# KiCad board haptic display 8x8 aisler.kicad_pcb (continued)
## Routing (per net, layer and track width the routed paths; a pad name or vN(x,y) marks a point on that pad's centre or on a via; arc(x,y) is an arc through that point) (continued)
36.19,66.73 36.4,66.57 36.58,66.4 36.74,66.2 36.88,65.98 36.99,65.75 37.07,65.51 37.12,65.26 37.14,65 37.13,64.74 37.08,64.49 37.01,64.24 36.91,64 36.78,63.77 36.62,63.56 36.44,63.37 36.24,63.21 36.01,63.07 35.78,62.96 35.52,62.87 35.26,62.82 35,62.8 34.75,62.81 34.51,62.85 34.27,62.91 34.04,63 33.82,63.12 33.61,63.26 33.42,63.42 33.25,63.61 33.1,63.81 32.98,64.03 32.88,64.26 32.8,64.5 32.76,64.75 32.74,65 32.75,65.25 32.79,65.51 32.85,65.75 32.95,65.99 33.07,66.22 33.21,66.43 33.38,66.62 33.57,66.8 33.77,66.95 34,67.08 34.24,67.18 34.48,67.26 34.74,67.31 35,67.33 35.26,67.31 35.52,67.28 35.77,67.21 36.02,67.11 36.25,66.99 36.47,66.84 36.67,66.67 36.85,66.47 37,66.26 37.13,66.03 37.24,65.78 37.32,65.53 37.37,65.27 37.39,65 37.38,64.73 37.34,64.47 37.27,64.21 37.17,63.96 37.04,63.72 36.89,63.49 36.71,63.29 36.51,63.11 36.29,62.94 36.06,62.81 35.8,62.7 35.54,62.62 35.27,62.57 35,62.55 34.74,62.56 34.49,62.6 34.24,62.66 34,62.75 33.76,62.86 33.55,63 33.34,63.16 33.15,63.34 32.99,63.54 32.84,63.75 32.72,63.98 32.62,64.23 32.55,64.48 32.51,64.74 32.49,65 32.5,65.26 32.53,65.52 32.6,65.78 32.69,66.03 32.81,66.27 32.95,66.49 33.11,66.7 33.3,66.89 33.5,67.06 33.72,67.21 33.96,67.34 34.21,67.44 34.47,67.51 34.73,67.56 35,67.58 35.27,67.57 35.54,67.53 35.8,67.46 36.05,67.37 36.3,67.25 36.53,67.1 36.74,66.94 36.94,66.75 37.11,66.54 37.27,66.31 37.39,66.07 37.5,65.81 37.57,65.55 37.62,65.28 37.64,65 37.63,64.72 37.59,64.45 37.52,64.18 37.42,63.92 37.3,63.67 37.15,63.44 36.98,63.22 36.79,63.02 36.57,62.84 36.34,62.68 36.09,62.55 35.83,62.44 35.56,62.37 35.28,62.32 35,62.3 34.73,62.31 34.47,62.34 34.21,62.41 33.96,62.49 33.72,62.6 33.49,62.74 33.27,62.89 33.07,63.07 32.89,63.26 32.72,63.48 32.58,63.71 32.46,63.95 32.37,64.2 32.3,64.46 32.25,64.73 32.24,65 32.25,65.27 32.28,65.54 32.35,65.81 32.43,66.06 32.55,66.31 32.68,66.55 32.84,66.77 33.02,66.98 33.23,67.16 33.44,67.33 33.68,67.47 33.92,67.6 34.18,67.69 34.45,67.76 34.72,67.81 35,67.83 35.28,67.82 35.55,67.78 35.82,67.71 36.09,67.62 36.34,67.51 36.58,67.37 36.81,67.2 37.02,67.02 37.21,66.81 37.38,66.59 37.53,66.35 37.65,66.1 37.75,65.83 37.82,65.56 37.87,65.28 37.89,65 37.88,64.72 37.84,64.44 37.77,64.16 37.68,63.89 37.56,63.63 37.42,63.38 37.25,63.15 37.06,62.94 36.85,62.74 36.63,62.57 36.38,62.42 36.12,62.29 35.85,62.19 35.57,62.11 35.29,62.07 35,62.05 34.73,62.06 34.46,62.09 34.19,62.15 33.93,62.24 33.68,62.34 33.44,62.47 33.21,62.63 32.99,62.8 32.8,62.99 32.62,63.2 32.46,63.43 32.32,63.67 32.2,63.92 32.11,64.18 32.05,64.45 32,64.72 31.99,65 32,65.28 32.03,65.55 32.09,65.83 32.18,66.09 32.29,66.35 32.42,66.6 32.58,66.83 32.75,67.05 32.95,67.25 33.16,67.43 33.39,67.6 33.64,67.74 33.89,67.85 34.16,67.95 34.44,68.02 34.72,68.06 35,68.08 35.28,68.07 35.57,68.03 35.84,67.97 36.12,67.88 36.38,67.77 36.63,67.63 36.87,67.47 37.09,67.29 37.3,67.09 37.48,66.88 37.65,66.64 37.79,66.39 37.91,66.13 38.01,65.86 38.08,65.58 38.12,65.29 38.14,65 38.13,64.71 38.09,64.42 38.03,64.14 37.94,63.86 37.83,63.59 37.69,63.34 37.52,63.09 37.34,62.87 37.14,62.66 36.91,62.47 36.67,62.3 36.42,62.15 36.15,62.03 35.87,61.93 35.59,61.86 35.29,61.82 35,61.8 34.72,61.81 34.44,61.84 34.17,61.9 33.9,61.98 33.64,62.08 33.39,62.21 33.15,62.36 32.93,62.53 32.72,62.72 32.52,62.92 32.35,63.14 32.19,63.38 32.06,63.63 31.95,63.89 31.86,64.16 31.79,64.43 31.75,64.72 31.74,65 31.75,65.28 31.78,65.57 31.84,65.85 31.92,66.12 32.03,66.39 32.16,66.64 32.31,66.89 32.48,67.11 32.67,67.33 32.88,67.53 33.11,67.7 33.35,67.86 33.6,68 33.87,68.11 34.14,68.2 34.42,68.27 34.71,68.31 35,68.33 35.29,68.32 35.58,68.28 35.86,68.22 36.14,68.14 36.41,68.03 36.67,67.9 36.92,67.74 37.16,67.57 37.37,67.37 37.57,67.16 37.75,66.93 37.92,66.68 38.05,66.42 38.17,66.15 38.26,65.87 38.33,65.59 38.37,65.29 38.39,65 38.38,64.7 38.34,64.41 38.28,64.12 38.2,63.84 38.09,63.56 37.95,63.3 37.79,63.04 37.62,62.8 37.42,62.58 37.2,62.38 36.96,62.19 36.71,62.03 36.45,61.89 36.18,61.77 35.89,61.68 35.6,61.61 35.3,61.57 35,61.55 34.71,61.56 34.43,61.59 34.15,61.65 33.88,61.72 33.61,61.83 33.35,61.95 33.1,62.09 32.86,62.26 32.64,62.44 32.44,62.64 32.25,62.86 32.08,63.09 31.93,63.34 31.8,63.6 31.69,63.86 31.6,64.14 31.54,64.42 31.5,64.71 31.49,65 31.5,65.29 31.53,65.58 31.59,65.86 31.67,66.14 31.77,66.42 31.89,66.68 32.04,66.93 32.21,67.17 32.39,67.4 32.6,67.61 32.82,67.8 33.06,67.97 33.31,68.13 33.57,68.26 33.84,68.37 34.12,68.46 34.41,68.52 34.71,68.56 35,68.58 35.3,68.57 35.59,68.53 35.88,68.48 36.17,68.39 36.44,68.29 36.71,68.16 36.97,68.01 37.21,67.84 37.44,67.65 37.65,67.44 37.85,67.22 38.03,66.98 38.18,66.72 38.32,66.45 38.43,66.18 38.52,65.89 38.58,65.6 38.62,65.3 38.64,65 38.63,64.7 38.59,64.4 38.54,64.1 38.45,63.81 38.35,63.53 38.22,63.26 38.06,63 37.89,62.75 37.7,62.52 37.49,62.3 37.26,62.1 37.01,61.92 36.75,61.76 36.48,61.63 36.2,61.51 35.91,61.42 35.61,61.36 35.31,61.32 35,61.3 34.71,61.31 34.42,61.34 34.13,61.39 33.85,61.47 33.58,61.57 33.31,61.69 33.06,61.83 32.81,61.99 32.58,62.17 32.36,62.36 32.16,62.57 31.98,62.8 31.81,63.05 31.66,63.3 31.54,63.57 31.43,63.84 31.35,64.12 31.29,64.41 31.25,64.71 31.24,65 31.25,65.3 31.28,65.59 31.33,65.88 31.41,66.17 31.51,66.45 31.63,66.72 31.77,66.98 31.94,67.23 32.12,67.46 32.32,67.68 32.53,67.89 32.77,68.07 33.01,68.24 33.27,68.39 33.54,68.52 33.82,68.63 34.11,68.71 34.4,68.77 34.7,68.81 35,68.83 35.3,68.82 35.6,68.78 35.9,68.73 36.19,68.65 36.47,68.55 36.75,68.42 37.01,68.28 37.26,68.11 37.5,67.93 37.73,67.73 37.93,67.51 38.12,67.27 38.3,67.02 38.45,66.76 38.58,66.48 38.69,66.2 38.77,65.91 38.83,65.61 38.87,65.3 38.89,65 38.88,64.69 38.85,64.39 38.79,64.09 38.71,63.79 38.61,63.51 38.48,63.23 38.33,62.96 38.17,62.7 37.98,62.46 37.77,62.23 37.55,62.02 37.31,61.82 37.05,61.65 36.78,61.5 36.51,61.37 36.22,61.26 35.92,61.17 35.62,61.1 35.31,61.07 35,61.05 34.7,61.06 34.41,61.09 34.12,61.14 33.83,61.21 33.55,61.31 33.28,61.43 33.01,61.56 32.76,61.72 32.52,61.89 32.29,62.08 32.08,62.29 31.88,62.51 31.7,62.75 31.54,63 31.4,63.27 31.28,63.54 31.18,63.82 31.1,64.11 31.04,64.4 31,64.7 30.99,65 31,65.3 31.03,65.6 31.08,65.89 31.15,66.19 31.25,66.47 31.37,66.75 31.51,67.02 31.67,67.27 31.84,67.52 32.04,67.75 32.25,67.97 32.48,68.17 32.72,68.35 32.97,68.51 33.24,68.66 33.52,68.78 33.8,68.88 34.1,68.96 34.39,69.02 34.7,69.06 35,69.08 35.3,69.07 35.61,69.04 35.91,68.98 36.2,68.91 36.49,68.81 36.78,68.69 37.05,68.55 37.31,68.39 37.56,68.21 37.79,68.01 38.01,67.79 38.21,67.56 38.4,67.32 38.57,67.06 38.71,66.79 38.84,66.51 38.94,66.22 39.03,65.92 39.09,65.62 39.12,65.31 39.14,65 39.13,64.69 39.1,64.38 39.04,64.08 38.97,63.78 38.87,63.48 38.74,63.2 38.6,62.92 38.44,62.66 38.26,62.4 38.05,62.17 37.84,61.94 37.6,61.74 37.35,61.55 37.09,61.38 36.81,61.23 36.53,61.1 36.23,61 35.93,60.91 35.63,60.85 35.31,60.81 35,60.8 34.7,60.81 34.4,60.84 34.11,60.89 33.81,60.96 33.53,61.05 33.25,61.16 32.98,61.3 32.72,61.45 32.47,61.62 32.23,61.8 32.01,62.01 31.8,62.23 31.61,62.46 31.43,62.71 31.28,62.97 31.14,63.24 31.02,63.52 30.92,63.8 30.84,64.1 30.79,64.39 30.75,64.7 30.74,65 30.75,65.3 30.78,65.61 30.83,65.91 30.9,66.2 30.99,66.49 31.11,66.78 31.24,67.05 31.4,67.32 31.57,67.57 31.76,67.81 31.96,68.04 32.19,68.25 32.42,68.44 32.67,68.62 32.94,68.78 33.21,68.92 33.49,69.04 33.78,69.14 34.08,69.22 34.39,69.28 34.69,69.31 35,69.33 35.31,69.32 35.62,69.29 35.92,69.23 36.22,69.16 36.52,69.07 36.8,68.95 37.08,68.81 37.35,68.66 37.61,68.48 37.85,68.29 38.08,68.08 38.29,67.85 38.49,67.61 38.67,67.36 38.83,67.09 38.98,66.82 39.1,66.53 39.2,66.23 39.28,65.93 39.34,65.62 39.37,65.31 39.39,65 39.38,64.69 39.35,64.37 39.3,64.07 39.22,63.76 39.12,63.46 39.01,63.17 38.87,62.89 38.71,62.62 38.53,62.36 38.34,62.11 38.12,61.88 37.9,61.66 37.65,61.46 37.39,61.28 37.12,61.11 36.84,60.97 36.55,60.84 36.25,60.74 35.94,60.66 35.63,60.6 35.32,60.56 35,60.55 35,60.35 v1(35.35,60) ; 35.41,48.98 35.36,48.96 35,48.6 35,48.55 34.79,48.56 34.59,48.6 34.39,48.67 34.2,48.76 34.03,48.88 33.88,49.03 33.75,49.19 33.64,49.38 33.56,49.58 33.51,49.79 33.49,50 33.5,50.22 33.54,50.43 33.61,50.64 33.71,50.83 33.84,51.01 33.99,51.17 34.16,51.31 34.35,51.42 34.56,51.5 34.78,51.55 35,51.58 35.22,51.56 35.45,51.52 35.66,51.45 35.86,51.34 36.05,51.21 36.22,51.05 36.36,50.87 36.47,50.67 36.56,50.46 36.62,50.23 36.64,50 36.63,49.77 36.58,49.54 36.51,49.31 36.4,49.1 36.26,48.91 36.09,48.74 35.91,48.59 35.7,48.47 35.48,48.38 35.24,48.32 35,48.3 34.78,48.31 34.56,48.35 34.34,48.41 34.14,48.51 33.95,48.63 33.78,48.78 33.62,48.94 33.49,49.13 33.39,49.33 33.31,49.55 33.26,49.77 33.24,50 33.25,50.23 33.29,50.46 33.36,50.68 33.46,50.89 33.58,51.09 33.73,51.27 33.9,51.43 34.1,51.56 34.31,51.67 34.53,51.75 34.76,51.8 35,51.83 35.24,51.81 35.48,51.77 35.7,51.7 35.92,51.6 36.13,51.47 36.31,51.31 36.48,51.13 36.62,50.93 36.73,50.72 36.81,50.49 36.87,50.25 36.89,50 36.88,49.75 36.83,49.51 36.76,49.27 36.65,49.05 36.52,48.84 36.36,48.64 36.17,48.47 35.96,48.33 35.74,48.21 35.5,48.13 35.25,48.07 35,48.05 34.76,48.06 34.53,48.1 34.3,48.16 34.08,48.26 33.88,48.38 33.69,48.52 33.52,48.68 33.36,48.87 33.24,49.07 33.13,49.29 33.06,49.52 33.01,49.76 32.99,50 33,50.24 33.04,50.48 33.1,50.72 33.2,50.94 33.32,51.16 33.47,51.35 33.64,51.53 33.83,51.69 34.04,51.82 34.27,51.93 34.51,52.01 34.75,52.06 35,52.08 35.25,52.06 35.5,52.02 35.74,51.95 35.97,51.85 36.19,51.73 36.4,51.57 36.58,51.4 36.74,51.2 36.88,50.98 36.99,50.75 37.07,50.51 37.12,50.26 37.14,50 37.13,49.74 37.08,49.49 37.01,49.24 36.91,49 36.78,48.77 36.62,48.56 36.44,48.37 36.24,48.21 36.01,48.07 35.78,47.96 35.52,47.87 35.26,47.82 35,47.8 34.75,47.81 34.51,47.85 34.27,47.91 34.04,48 33.82,48.12 33.61,48.26 33.42,48.42 33.25,48.61 33.1,48.81 32.98,49.03 32.88,49.26 32.8,49.5 32.76,49.75 32.74,50 32.75,50.25 32.79,50.51 32.85,50.75 32.95,50.99 33.07,51.22 33.21,51.43 33.38,51.62 33.57,51.8 33.77,51.95 34,52.08 34.24,52.18 34.48,52.26 34.74,52.31 35,52.33 35.26,52.31 35.52,52.28 35.77,52.21 36.02,52.11 36.25,51.99 36.47,51.84 36.67,51.67 36.85,51.47 37,51.26 37.13,51.03 37.24,50.78 37.32,50.53 37.37,50.27 37.39,50 37.38,49.73 37.34,49.47 37.27,49.21 37.17,48.96 37.04,48.72 36.89,48.49 36.71,48.29 36.51,48.11 36.29,47.94 36.06,47.81 35.8,47.7 35.54,47.62 35.27,47.57 35,47.55 34.74,47.56 34.49,47.6 34.24,47.66 34,47.75 33.76,47.86 33.55,48 33.34,48.16 33.15,48.34 32.99,48.54 32.84,48.75 32.72,48.98 32.62,49.23 32.55,49.48 32.51,49.74 32.49,50 32.5,50.26 32.53,50.52 32.6,50.78 32.69,51.03 32.81,51.27 32.95,51.49 33.11,51.7 33.3,51.89 33.5,52.06 33.72,52.21 33.96,52.34 34.21,52.44 34.47,52.51 34.73,52.56 35,52.58 35.27,52.57 35.54,52.53 35.8,52.46 36.05,52.37 36.3,52.25 36.53,52.1 36.74,51.94 36.94,51.75 37.11,51.54 37.27,51.31 37.39,51.07 37.5,50.81 37.57,50.55 37.62,50.28 37.64,50 37.63,49.72 37.59,49.45 37.52,49.18 37.42,48.92 37.3,48.67 37.15,48.44 36.98,48.22 36.79,48.02 36.57,47.84 36.34,47.68 36.09,47.55 35.83,47.44 35.56,47.37 35.28,47.32 35,47.3 34.73,47.31 34.47,47.34 34.21,47.41 33.96,47.49 33.72,47.6 33.49,47.74 33.27,47.89 33.07,48.07 32.89,48.26 32.72,48.48 32.58,48.71 32.46,48.95 32.37,49.2 32.3,49.46 32.25,49.73 32.24,50 32.25,50.27 32.28,50.54 32.35,50.81 32.43,51.06 32.55,51.31 32.68,51.55 32.84,51.77 33.02,51.98 33.23,52.16 33.44,52.33 33.68,52.47 33.92,52.6 34.18,52.69 34.45,52.76 34.72,52.81 35,52.83 35.28,52.82 35.55,52.78 35.82,52.71 36.09,52.62 36.34,52.51 36.58,52.37 36.81,52.2 37.02,52.02 37.21,51.81 37.38,51.59 37.53,51.35 37.65,51.1 37.75,50.83 37.82,50.56 37.87,50.28 37.89,50 37.88,49.72 37.84,49.44 37.77,49.16 37.68,48.89 37.56,48.63 37.42,48.38 37.25,48.15 37.06,47.94 36.85,47.74 36.63,47.57 36.38,47.42 36.12,47.29 35.85,47.19 35.57,47.11 35.29,47.07 35,47.05 34.73,47.06 34.46,47.09 34.19,47.15 33.93,47.24 33.68,47.34 33.44,47.47 33.21,47.63 32.99,47.8 32.8,47.99 32.62,48.2 32.46,48.43 32.32,48.67 32.2,48.92 32.11,49.18 32.05,49.45 32,49.72 31.99,50 32,50.28 32.03,50.55 32.09,50.83 32.18,51.09 32.29,51.35 32.42,51.6 32.58,51.83 32.75,52.05 32.95,52.25 33.16,52.43 33.39,52.6 33.64,52.74 33.89,52.85 34.16,52.95 34.44,53.02 34.72,53.06 35,53.08 35.28,53.07 35.57,53.03 35.84,52.97 36.12,52.88 36.38,52.77 36.63,52.63 36.87,52.47 37.09,52.29 37.3,52.09 37.48,51.88 37.65,51.64 37.79,51.39 37.91,51.13 38.01,50.86 38.08,50.58 38.12,50.29 38.14,50 38.13,49.71 38.09,49.42 38.03,49.14 37.94,48.86 37.83,48.59 37.69,48.34 37.52,48.09 37.34,47.87 37.14,47.66 36.91,47.47 36.67,47.3 36.42,47.15 36.15,47.03 35.87,46.93 35.59,46.86 35.29,46.82 35,46.8 34.72,46.81 34.44,46.84 34.17,46.9 33.9,46.98 33.64,47.08 33.39,47.21 33.15,47.36 32.93,47.53 32.72,47.72 32.52,47.92 32.35,48.14 32.19,48.38 32.06,48.63 31.95,48.89 31.86,49.16 31.79,49.43 31.75,49.72 31.74,50 31.75,50.28 31.78,50.57 31.84,50.85 31.92,51.12 32.03,51.39 32.16,51.64 32.31,51.89 32.48,52.11 32.67,52.33 32.88,52.53 33.11,52.7 33.35,52.86 33.6,53 33.87,53.11 34.14,53.2 34.42,53.27 34.71,53.31 35,53.33 35.29,53.32 35.58,53.28 35.86,53.22 36.14,53.14 36.41,53.03 36.67,52.9 36.92,52.74 37.16,52.57 37.37,52.37 37.57,52.16 37.75,51.93 37.92,51.68 38.05,51.42 38.17,51.15 38.26,50.87 38.33,50.59 38.37,50.29 38.39,50 38.38,49.7 38.34,49.41 38.28,49.12 38.2,48.84 38.09,48.56 37.95,48.3 37.79,48.04 37.62,47.8 37.42,47.58 37.2,47.38 36.96,47.19 36.71,47.03 36.45,46.89 36.18,46.77 35.89,46.68 35.6,46.61 35.3,46.57 35,46.55 34.71,46.56 34.43,46.59 34.15,46.65 33.88,46.72 33.61,46.83 33.35,46.95 33.1,47.09 32.86,47.26 32.64,47.44 32.44,47.64 32.25,47.86 32.08,48.09 31.93,48.34 31.8,48.6 31.69,48.86 31.6,49.14 31.54,49.42 31.5,49.71 31.49,50 31.5,50.29 31.53,50.58 31.59,50.86 31.67,51.14 31.77,51.42 31.89,51.68 32.04,51.93 32.21,52.17 32.39,52.4 32.6,52.61 32.82,52.8 33.06,52.97 33.31,53.13 33.57,53.26 33.84,53.37 34.12,53.46 34.41,53.52 34.71,53.56 35,53.58 35.3,53.57 35.59,53.53 35.88,53.48 36.17,53.39 36.44,53.29 36.71,53.16 36.97,53.01 37.21,52.84 37.44,52.65 37.65,52.44 37.85,52.22 38.03,51.98 38.18,51.72 38.32,51.45 38.43,51.18 38.52,50.89 38.58,50.6 38.62,50.3 38.64,50 38.63,49.7 38.59,49.4 38.54,49.1 38.45,48.81 38.35,48.53 38.22,48.26 38.06,48 37.89,47.75 37.7,47.52 37.49,47.3 37.26,47.1 37.01,46.92 36.75,46.76 36.48,46.63 36.2,46.51 35.91,46.42 35.61,46.36 35.31,46.32 35,46.3 34.71,46.31 34.42,46.34 34.13,46.39 33.85,46.47 33.58,46.57 33.31,46.69 33.06,46.83 32.81,46.99 32.58,47.17 32.36,47.36 32.16,47.57 31.98,47.8 31.81,48.05 31.66,48.3 31.54,48.57 31.43,48.84 31.35,49.12 31.29,49.41 31.25,49.71 31.24,50 31.25,50.3 31.28,50.59 31.33,50.88 31.41,51.17 31.51,51.45 31.63,51.72 31.77,51.98 31.94,52.23 32.12,52.46 32.32,52.68 32.53,52.89 32.77,53.07 33.01,53.24 33.27,53.39 33.54,53.52 33.82,53.63 34.11,53.71 34.4,53.77 34.7,53.81 35,53.83 35.3,53.82 35.6,53.78 35.9,53.73 36.19,53.65 36.47,53.55 36.75,53.42 37.01,53.28 37.26,53.11 37.5,52.93 37.73,52.73 37.93,52.51 38.12,52.27 38.3,52.02 38.45,51.76 38.58,51.48 38.69,51.2 38.77,50.91 38.83,50.61 38.87,50.3 38.89,50 38.88,49.69 38.85,49.39 38.79,49.09 38.71,48.79 38.61,48.51 38.48,48.23 38.33,47.96 38.17,47.7 37.98,47.46 37.77,47.23 37.55,47.02 37.31,46.82 37.05,46.65 36.78,46.5 36.51,46.37 36.22,46.26 35.92,46.17 35.62,46.1 35.31,46.07 35,46.05 34.7,46.06 34.41,46.09 34.12,46.14 33.83,46.21 33.55,46.31 33.28,46.43 33.01,46.56 32.76,46.72 32.52,46.89 32.29,47.08 32.08,47.29 31.88,47.51 31.7,47.75 31.54,48 31.4,48.27 31.28,48.54 31.18,48.82 31.1,49.11 31.04,49.4 31,49.7 30.99,50 31,50.3 31.03,50.6 31.08,50.89 31.15,51.19 31.25,51.47 31.37,51.75 31.51,52.02 31.67,52.27 31.84,52.52 32.04,52.75 32.25,52.97 32.48,53.17 32.72,53.35 32.97,53.51 33.24,53.66 33.52,53.78 33.8,53.88 34.1,53.96 34.39,54.02 34.7,54.06 35,54.08 35.3,54.07 35.61,54.04 35.91,53.98 36.2,53.91 36.49,53.81 36.78,53.69 37.05,53.55 37.31,53.39 37.56,53.21 37.79,53.01 38.01,52.79 38.21,52.56 38.4,52.32 38.57,52.06 38.71,51.79 38.84,51.51 38.94,51.22 39.03,50.92 39.09,50.62 39.12,50.31 39.14,50 39.13,49.69 39.1,49.38 39.04,49.08 38.97,48.78 38.87,48.48 38.74,48.2 38.6,47.92 38.44,47.66 38.26,47.4 38.05,47.17 37.84,46.94 37.6,46.74 37.35,46.55 37.09,46.38 36.81,46.23 36.53,46.1 36.23,46 35.93,45.91 35.63,45.85 35.31,45.81 35,45.8 34.7,45.81 34.4,45.84 34.11,45.89 33.81,45.96 33.53,46.05 33.25,46.16 32.98,46.3 32.72,46.45 32.47,46.62 32.23,46.8 32.01,47.01 31.8,47.23 31.61,47.46 31.43,47.71 31.28,47.97 31.14,48.24 31.02,48.52 30.92,48.8 30.84,49.1 30.79,49.39 30.75,49.7 30.74,50 30.75,50.3 30.78,50.61 30.83,50.91 30.9,51.2 30.99,51.49 31.11,51.78 31.24,52.05 31.4,52.32 31.57,52.57 31.76,52.81 31.96,53.04 32.19,53.25 32.42,53.44 32.67,53.62 32.94,53.78 33.21,53.92 33.49,54.04 33.78,54.14 34.08,54.22 34.39,54.28 34.69,54.31 35,54.33 35.31,54.32 35.62,54.29 35.92,54.23 36.22,54.16 36.52,54.07 36.8,53.95 37.08,53.81 37.35,53.66 37.61,53.48 37.85,53.29 38.08,53.08 38.29,52.85 38.49,52.61 38.67,52.36 38.83,52.09 38.98,51.82 39.1,51.53 39.2,51.23 39.28,50.93 39.34,50.62 39.37,50.31 39.39,50 39.38,49.69 39.35,49.37 39.3,49.07 39.22,48.76 39.12,48.46 39.01,48.17 38.87,47.89 38.71,47.62 38.53,47.36 38.34,47.11 38.12,46.88 37.9,46.66 37.65,46.46 37.39,46.28 37.12,46.11 36.84,45.97 36.55,45.84 36.25,45.74 35.94,45.66 35.63,45.6 35.32,45.56 35,45.55 35,45.35 v1(35.35,45) ; 35.41,33.98 35.36,33.96 35,33.6 35,33.55 34.79,33.56 34.59,33.6 34.39,33.67 34.2,33.76 34.03,33.88 33.88,34.03 33.75,34.19 33.64,34.38 33.56,34.58 33.51,34.79 33.49,35 33.5,35.22 33.54,35.43 33.61,35.64 33.71,35.83 33.84,36.01 33.99,36.17 34.16,36.31 34.35,36.42 34.56,36.5 34.78,36.55 35,36.57 35.22,36.56 35.45,36.52 35.66,36.45 35.86,36.34 36.05,36.21 36.22,36.05 36.36,35.87 36.47,35.67 36.56,35.46 36.62,35.23 36.64,35 36.63,34.77 36.58,34.54 36.51,34.31 36.4,34.1 36.26,33.91 36.09,33.74 35.91,33.59 35.7,33.47 35.48,33.38 35.24,33.32 35,33.3 34.78,33.31 34.56,33.35 34.34,33.41 34.14,33.51 33.95,33.63 33.78,33.78 33.62,33.94 33.49,34.13 33.39,34.33 33.31,34.55 33.26,34.77 33.24,35 33.25,35.23 33.29,35.46 33.36,35.68 33.46,35.89 33.58,36.09 33.73,36.27 33.9,36.43 34.1,36.56 34.31,36.67 34.53,36.75 34.76,36.8 35,36.82 35.24,36.81 35.48,36.77 35.7,36.7 35.92,36.6 36.13,36.47 36.31,36.31 36.48,36.13 36.62,35.93 36.73,35.72 36.81,35.49 36.87,35.25 36.89,35 36.88,34.75 36.83,34.51 36.76,34.27 36.65,34.05 36.52,33.84 36.36,33.64 36.17,33.47 35.96,33.33 35.74,33.21 35.5,33.13 35.25,33.07 35,33.05 34.76,33.06 34.53,33.1 34.3,33.16 34.08,33.26 33.88,33.38 33.69,33.52 33.52,33.68 33.36,33.87 33.24,34.07 33.13,34.29 33.06,34.52 33.01,34.76 32.99,35 33,35.24 33.04,35.48 33.1,35.72 33.2,35.94 33.32,36.16 33.47,36.35 33.64,36.53 33.83,36.69 34.04,36.82 34.27,36.93 34.51,37.01 34.75,37.06 35,37.07 35.25,37.06 35.5,37.02 35.74,36.95 35.97,36.85 36.19,36.73 36.4,36.57 36.58,36.4 36.74,36.2 36.88,35.98 36.99,35.75 37.07,35.51 37.12,35.26 37.14,35 37.13,34.74 37.08,34.49 37.01,34.24 36.91,34 36.78,33.77 36.62,33.56 36.44,33.37 36.24,33.21 36.01,33.07 35.78,32.96 35.52,32.87 35.26,32.82 35,32.8 34.75,32.81 34.51,32.85 34.27,32.91 34.04,33 33.82,33.12 33.61,33.26 33.42,33.42 33.25,33.61 33.1,33.81 32.98,34.03 32.88,34.26 32.8,34.5 32.76,34.75 32.74,35 32.75,35.25 32.79,35.51 32.85,35.75 32.95,35.99 33.07,36.22 33.21,36.43 33.38,36.62 33.57,36.8 33.77,36.95 34,37.08 34.24,37.18 34.48,37.26 34.74,37.31 35,37.32 35.26,37.31 35.52,37.28 35.77,37.21 36.02,37.11 36.25,36.99 36.47,36.84 36.67,36.67 36.85,36.47 37,36.26 37.13,36.03 37.24,35.78 37.32,35.53 37.37,35.27 37.39,35 37.38,34.73 37.34,34.47 37.27,34.21 37.17,33.96 37.04,33.72 36.89,33.49 36.71,33.29 36.51,33.11 36.29,32.94 36.06,32.81 35.8,32.7 35.54,32.62 35.27,32.57 35,32.55 34.74,32.56 34.49,32.6 34.24,32.66 34,32.75 33.76,32.86 33.55,33 33.34,33.16 33.15,33.34 32.99,33.54 32.84,33.75 32.72,33.98 32.62,34.23 32.55,34.48 32.51,34.74 32.49,35 32.5,35.26 32.53,35.52 32.6,35.78 32.69,36.03 32.81,36.27 32.95,36.49 33.11,36.7 33.3,36.89 33.5,37.06 33.72,37.21 33.96,37.34 34.21,37.44 34.47,37.51 34.73,37.56 35,37.57 35.27,37.57 35.54,37.53 35.8,37.46 36.05,37.37 36.3,37.25 36.53,37.1 36.74,36.94 36.94,36.75 37.11,36.54 37.27,36.31 37.39,36.07 37.5,35.81 37.57,35.55 37.62,35.28 37.64,35 37.63,34.72 37.59,34.45 37.52,34.18 37.42,33.92 37.3,33.67 37.15,33.44 36.98,33.22 36.79,33.02 36.57,32.84 36.34,32.68 36.09,32.55 35.83,32.44 35.56,32.37 35.28,32.32 35,32.3 34.73,32.31 34.47,32.34 34.21,32.41 33.96,32.49 33.72,32.6 33.49,32.74 33.27,32.89 33.07,33.07 32.89,33.26 32.72,33.48 32.58,33.71 32.46,33.95 32.37,34.2 32.3,34.46 32.25,34.73 32.24,35 32.25,35.27 32.28,35.54 32.35,35.81 32.43,36.06 32.55,36.31 32.68,36.55 32.84,36.77 33.02,36.98 33.23,37.16 33.44,37.33 33.68,37.47 33.92,37.6 34.18,37.69 34.45,37.76 34.72,37.81 35,37.82 35.28,37.82 35.55,37.78 35.82,37.71 36.09,37.62 36.34,37.51 36.58,37.37 36.81,37.2 37.02,37.02 37.21,36.81 37.38,36.59 37.53,36.35 37.65,36.1 37.75,35.83 37.82,35.56 37.87,35.28 37.89,35 37.88,34.72 37.84,34.44 37.77,34.16 37.68,33.89 37.56,33.63 37.42,33.38 37.25,33.15 37.06,32.94 36.85,32.74 36.63,32.57 36.38,32.42 36.12,32.29 35.85,32.19 35.57,32.11 35.29,32.07 35,32.05 34.73,32.06 34.46,32.09 34.19,32.15 33.93,32.24 33.68,32.34 33.44,32.47 33.21,32.63 32.99,32.8 32.8,32.99 32.62,33.2 32.46,33.43 32.32,33.67 32.2,33.92 32.11,34.18 32.05,34.45 32,34.72 31.99,35 32,35.28 32.03,35.55 32.09,35.83 32.18,36.09 32.29,36.35 32.42,36.6 32.58,36.83 32.75,37.05 32.95,37.25 33.16,37.43 33.39,37.6 33.64,37.74 33.89,37.85 34.16,37.95 34.44,38.02 34.72,38.06 35,38.07 35.28,38.07 35.57,38.03 35.84,37.97 36.12,37.88 36.38,37.77 36.63,37.63 36.87,37.47 37.09,37.29 37.3,37.09 37.48,36.88 37.65,36.64 37.79,36.39 37.91,36.13 38.01,35.86 38.08,35.58 38.12,35.29 38.14,35 38.13,34.71 38.09,34.42 38.03,34.14 37.94,33.86 37.83,33.59 37.69,33.34 37.52,33.09 37.34,32.87 37.14,32.66 36.91,32.47 36.67,32.3 36.42,32.15 36.15,32.03 35.87,31.93 35.59,31.86 35.29,31.82 35,31.8 34.72,31.81 34.44,31.84 34.17,31.9 33.9,31.98 33.64,32.08 33.39,32.21 33.15,32.36 32.93,32.53 32.72,32.72 32.52,32.92 32.35,33.14 32.19,33.38 32.06,33.63 31.95,33.89 31.86,34.16 31.79,34.43 31.75,34.72 31.74,35 31.75,35.28 31.78,35.57 31.84,35.85 31.92,36.12 32.03,36.39 32.16,36.64 32.31,36.89 32.48,37.11 32.67,37.33 32.88,37.53 33.11,37.7 33.35,37.86 33.6,38 33.87,38.11 34.14,38.2 34.42,38.27 34.71,38.31 35,38.32 35.29,38.32 35.58,38.28 35.86,38.22 36.14,38.14 36.41,38.03 36.67,37.9 36.92,37.74 37.16,37.57 37.37,37.37 37.57,37.16 37.75,36.93 37.92,36.68 38.05,36.42 38.17,36.15 38.26,35.87 38.33,35.59 38.37,35.29 38.39,35 38.38,34.7 38.34,34.41 38.28,34.12 38.2,33.84 38.09,33.56 37.95,33.3 37.79,33.04 37.62,32.8 37.42,32.58 37.2,32.38 36.96,32.19 36.71,32.03 36.45,31.89 36.18,31.77 35.89,31.68 35.6,31.61 35.3,31.57 35,31.55 34.71,31.56 34.43,31.59 34.15,31.65 33.88,31.72 33.61,31.83 33.35,31.95 33.1,32.09 32.86,32.26 32.64,32.44 32.44,32.64 32.25,32.86 32.08,33.09 31.93,33.34 31.8,33.6 31.69,33.86 31.6,34.14 31.54,34.42 31.5,34.71 31.49,35 31.5,35.29 31.53,35.58 31.59,35.86 31.67,36.14 31.77,36.42 31.89,36.68 32.04,36.93 32.21,37.17 32.39,37.4 32.6,37.61 32.82,37.8 33.06,37.97 33.31,38.13 33.57,38.26 33.84,38.37 34.12,38.46 34.41,38.52 34.71,38.56 35,38.57 35.3,38.57 35.59,38.53 35.88,38.48 36.17,38.39 36.44,38.29 36.71,38.16 36.97,38.01 37.21,37.84 37.44,37.65 37.65,37.44 37.85,37.22 38.03,36.98 38.18,36.72 38.32,36.45 38.43,36.18 38.52,35.89 38.58,35.6 38.62,35.3 38.64,35 38.63,34.7 38.59,34.4 38.54,34.1 38.45,33.81 38.35,33.53 38.22,33.26 38.06,33 37.89,32.75 37.7,32.52 37.49,32.3 37.26,32.1 37.01,31.92 36.75,31.76 36.48,31.63 36.2,31.51 35.91,31.42 35.61,31.36 35.31,31.32 35,31.3 34.71,31.31 34.42,31.34 34.13,31.39 33.85,31.47 33.58,31.57 33.31,31.69 33.06,31.83 32.81,31.99 32.58,32.17 32.36,32.36 32.16,32.57 31.98,32.8 31.81,33.05 31.66,33.3 31.54,33.57 31.43,33.84 31.35,34.12 31.29,34.41 31.25,34.71 31.24,35 31.25,35.3 31.28,35.59 31.33,35.88 31.41,36.17 31.51,36.45 31.63,36.72 31.77,36.98 31.94,37.23 32.12,37.46 32.32,37.68 32.53,37.89 32.77,38.07 33.01,38.24 33.27,38.39 33.54,38.52 33.82,38.63 34.11,38.71 34.4,38.77 34.7,38.81 35,38.82 35.3,38.82 35.6,38.78 35.9,38.73 36.19,38.65 36.47,38.55 36.75,38.42 37.01,38.28 37.26,38.11 37.5,37.93 37.73,37.73 37.93,37.51 38.12,37.27 38.3,37.02 38.45,36.76 38.58,36.48 38.69,36.2 38.77,35.91 38.83,35.61 38.87,35.3 38.89,35 38.88,34.69 38.85,34.39 38.79,34.09 38.71,33.79 38.61,33.51 38.48,33.23 38.33,32.96 38.17,32.7 37.98,32.46 37.77,32.23 37.55,32.02 37.31,31.82 37.05,31.65 36.78,31.5 36.51,31.37 36.22,31.26 35.92,31.17 35.62,31.1 35.31,31.07 35,31.05 34.7,31.06 34.41,31.09 34.12,31.14 33.83,31.21 33.55,31.31 33.28,31.43 33.01,31.56 32.76,31.72 32.52,31.89 32.29,32.08 32.08,32.29 31.88,32.51 31.7,32.75 31.54,33 31.4,33.27 31.28,33.54 31.18,33.82 31.1,34.11 31.04,34.4 31,34.7 30.99,35 31,35.3 31.03,35.6 31.08,35.89 31.15,36.19 31.25,36.47 31.37,36.75 31.51,37.02 31.67,37.27 31.84,37.52 32.04,37.75 32.25,37.97 32.48,38.17 32.72,38.35 32.97,38.51 33.24,38.66 33.52,38.78 33.8,38.88 34.1,38.96 34.39,39.02 34.7,39.06 35,39.07 35.3,39.07 35.61,39.04 35.91,38.98 36.2,38.91 36.49,38.81 36.78,38.69 37.05,38.55 37.31,38.39 37.56,38.21 37.79,38.01 38.01,37.79 38.21,37.56 38.4,37.32 38.57,37.06 38.71,36.79 38.84,36.51 38.94,36.22 39.03,35.92 39.09,35.62 39.12,35.31 39.14,35 39.13,34.69 39.1,34.38 39.04,34.08 38.97,33.78 38.87,33.48 38.74,33.2 38.6,32.92 38.44,32.66 38.26,32.4 38.05,32.17 37.84,31.94 37.6,31.74 37.35,31.55 37.09,31.38 36.81,31.23 36.53,31.1 36.23,31 35.93,30.91 35.63,30.85 35.31,30.81 35,30.8 34.7,30.81 34.4,30.84 34.11,30.89 33.81,30.96 33.53,31.05 33.25,31.16 32.98,31.3 32.72,31.45 32.47,31.62 32.23,31.8 32.01,32.01 31.8,32.23 31.61,32.46 31.43,32.71 31.28,32.97 31.14,33.24 31.02,33.52 30.92,33.8 30.84,34.1 30.79,34.39 30.75,34.7 30.74,35 30.75,35.3 30.78,35.61 30.83,35.91 30.9,36.2 30.99,36.49 31.11,36.78 31.24,37.05 31.4,37.32 31.57,37.57 31.76,37.81 31.96,38.04 32.19,38.25 32.42,38.44 32.67,38.62 32.94,38.78 33.21,38.92 33.49,39.04 33.78,39.14 34.08,39.22 34.39,39.28 34.69,39.31 35,39.32 35.31,39.32 35.62,39.29 35.92,39.23 36.22,39.16 36.52,39.07 36.8,38.95 37.08,38.81 37.35,38.66 37.61,38.48 37.85,38.29 38.08,38.08 38.29,37.85 38.49,37.61 38.67,37.36 38.83,37.09 38.98,36.82 39.1,36.53 39.2,36.23 39.28,35.93 39.34,35.62 39.37,35.31 39.39,35 39.38,34.69 39.35,34.37 39.3,34.07 39.22,33.76 39.12,33.46 39.01,33.17 38.87,32.89 38.71,32.62 38.53,32.36 38.34,32.11 38.12,31.88 37.9,31.66 37.65,31.46 37.39,31.28 37.12,31.11 36.84,30.97 36.55,30.84 36.25,30.74 35.94,30.66 35.63,30.6 35.32,30.56 35,30.55 35,30.35 v1(35.35,30) ; 35.41,18.98 35.36,18.96 35,18.6 35,18.55 34.79,18.56 34.59,18.6 34.39,18.67 34.2,18.76 34.03,18.88 33.88,19.03 33.75,19.19 33.64,19.38 33.56,19.58 33.51,19.79 33.49,20 33.5,20.22 33.54,20.43 33.61,20.64 33.71,20.83 33.84,21.01 33.99,21.17 34.16,21.31 34.35,21.42 34.56,21.5 34.78,21.55 35,21.57 35.22,21.56 35.45,21.52 35.66,21.45 35.86,21.34 36.05,21.21 36.22,21.05 36.36,20.87 36.47,20.67 36.56,20.46 36.62,20.23 36.64,20 36.63,19.77 36.58,19.54 36.51,19.31 36.4,19.1 36.26,18.91 36.09,18.74 35.91,18.59 35.7,18.47 35.48,18.38 35.24,18.32 35,18.3 34.78,18.31 34.56,18.35 34.34,18.41 34.14,18.51 33.95,18.63 33.78,18.78 33.62,18.94 33.49,19.13 33.39,19.33 33.31,19.55 33.26,19.77 33.24,20 33.25,20.23 33.29,20.46 33.36,20.68 33.46,20.89 33.58,21.09 33.73,21.27 33.9,21.43 34.1,21.56 34.31,21.67 34.53,21.75 34.76,21.8 35,21.82 35.24,21.81 35.48,21.77 35.7,21.7 35.92,21.6 36.13,21.47 36.31,21.31 36.48,21.13 36.62,20.93 36.73,20.72 36.81,20.49 36.87,20.25 36.89,20 36.88,19.75 36.83,19.51 36.76,19.27 36.65,19.05 36.52,18.84 36.36,18.64 36.17,18.47 35.96,18.33 35.74,18.21 35.5,18.13 35.25,18.07 35,18.05 34.76,18.06 34.53,18.1 34.3,18.16 34.08,18.26 33.88,18.38 33.69,18.52 33.52,18.68 33.36,18.87 33.24,19.07 33.13,19.29 33.06,19.52 33.01,19.76 32.99,20 33,20.24 33.04,20.48 33.1,20.72 33.2,20.94 33.32,21.16 33.47,21.35 33.64,21.53 33.83,21.69 34.04,21.82 34.27,21.93 34.51,22.01 34.75,22.06 35,22.07 35.25,22.06 35.5,22.02 35.74,21.95 35.97,21.85 36.19,21.73 36.4,21.57 36.58,21.4 36.74,21.2 36.88,20.98 36.99,20.75 37.07,20.51 37.12,20.26 37.14,20 37.13,19.74 37.08,19.49 37.01,19.24 36.91,19 36.78,18.77 36.62,18.56 36.44,18.37 36.24,18.21 36.01,18.07 35.78,17.96 35.52,17.87 35.26,17.82 35,17.8 34.75,17.81 34.51,17.85 34.27,17.91 34.04,18 33.82,18.12 33.61,18.26 33.42,18.42 33.25,18.61 33.1,18.81 32.98,19.03 32.88,19.26 32.8,19.5 32.76,19.75 32.74,20 32.75,20.25 32.79,20.51 32.85,20.75 32.95,20.99 33.07,21.22 33.21,21.43 33.38,21.62 33.57,21.8 33.77,21.95 34,22.08 34.24,22.18 34.48,22.26 34.74,22.31 35,22.32 35.26,22.31 35.52,22.28 35.77,22.21 36.02,22.11 36.25,21.99 36.47,21.84 36.67,21.67 36.85,21.47 37,21.26 37.13,21.03 37.24,20.78 37.32,20.53 37.37,20.27 37.39,20 37.38,19.73 37.34,19.47 37.27,19.21 37.17,18.96 37.04,18.72 36.89,18.49 36.71,18.29 36.51,18.11 36.29,17.94 36.06,17.81 35.8,17.7 35.54,17.62 35.27,17.57 35,17.55 34.74,17.56 34.49,17.6 34.24,17.66 34,17.75 33.76,17.86 33.55,18 33.34,18.16 33.15,18.34 32.99,18.54 32.84,18.75 32.72,18.98 32.62,19.23 32.55,19.48 32.51,19.74 32.49,20 32.5,20.26 32.53,20.52 32.6,20.78 32.69,21.03 32.81,21.27 32.95,21.49 33.11,21.7 33.3,21.89 33.5,22.06 33.72,22.21 33.96,22.34 34.21,22.44 34.47,22.51 34.73,22.56 35,22.57 35.27,22.57 35.54,22.53 35.8,22.46 36.05,22.37 36.3,22.25 36.53,22.1 36.74,21.94 36.94,21.75 37.11,21.54 37.27,21.31 37.39,21.07 37.5,20.81 37.57,20.55 37.62,20.28 37.64,20 37.63,19.72 37.59,19.45 37.52,19.18 37.42,18.92 37.3,18.67 37.15,18.44 36.98,18.22 36.79,18.02 36.57,17.84 36.34,17.68 36.09,17.55 35.83,17.44 35.56,17.37 35.28,17.32 35,17.3 34.73,17.31 34.47,17.34 34.21,17.41 33.96,17.49 33.72,17.6 33.49,17.74 33.27,17.89 33.07,18.07 32.89,18.26 32.72,18.48 32.58,18.71 32.46,18.95 32.37,19.2 32.3,19.46 32.25,19.73 32.24,20 32.25,20.27 32.28,20.54 32.35,20.81 32.43,21.06 32.55,21.31 32.68,21.55 32.84,21.77 33.02,21.98 33.23,22.16 33.44,22.33 33.68,22.47 33.92,22.6 34.18,22.69 34.45,22.76 34.72,22.81 35,22.82 35.28,22.82 35.55,22.78 35.82,22.71 36.09,22.62 36.34,22.51 36.58,22.37 36.81,22.2 37.02,22.02 37.21,21.81 37.38,21.59 37.53,21.35 37.65,21.1 37.75,20.83 37.82,20.56 37.87,20.28 37.89,20 37.88,19.72 37.84,19.44 37.77,19.16 37.68,18.89 37.56,18.63 37.42,18.38 37.25,18.15 37.06,17.94 36.85,17.74 36.63,17.57 36.38,17.42 36.12,17.29 35.85,17.19 35.57,17.11 35.29,17.07 35,17.05 34.73,17.06 34.46,17.09 34.19,17.15 33.93,17.24 33.68,17.34 33.44,17.47 33.21,17.63 32.99,17.8 32.8,17.99 32.62,18.2 32.46,18.43 32.32,18.67 32.2,18.92 32.11,19.18 32.05,19.45 32,19.72 31.99,20 32,20.28 32.03,20.55 32.09,20.83 32.18,21.09 32.29,21.35 32.42,21.6 32.58,21.83 32.75,22.05 32.95,22.25 33.16,22.43 33.39,22.6 33.64,22.74 33.89,22.85 34.16,22.95 34.44,23.02 34.72,23.06 35,23.07 35.28,23.07 35.57,23.03 35.84,22.97 36.12,22.88 36.38,22.77 36.63,22.63 36.87,22.47 37.09,22.29 37.3,22.09 37.48,21.88 37.65,21.64 37.79,21.39 37.91,21.13 38.01,20.86 38.08,20.58 38.12,20.29 38.14,20 38.13,19.71 38.09,19.42 38.03,19.14 37.94,18.86 37.83,18.59 37.69,18.34 37.52,18.09 37.34,17.87 37.14,17.66 36.91,17.47 36.67,17.3 36.42,17.15 36.15,17.03 35.87,16.93 35.59,16.86 35.29,16.82 35,16.8 34.72,16.81 34.44,16.84 34.17,16.9 33.9,16.98 33.64,17.08 33.39,17.21 33.15,17.36 32.93,17.53 32.72,17.72 32.52,17.92 32.35,18.14 32.19,18.38 32.06,18.63 31.95,18.89 31.86,19.16 31.79,19.43 31.75,19.72 31.74,20 31.75,20.28 31.78,20.57 31.84,20.85 31.92,21.12 32.03,21.39 32.16,21.64 32.31,21.89 32.48,22.11 32.67,22.33 32.88,22.53 33.11,22.7 33.35,22.86 33.6,23 33.87,23.11 34.14,23.2 34.42,23.27 34.71,23.31 35,23.32 35.29,23.32 35.58,23.28 35.86,23.22 36.14,23.14 36.41,23.03 36.67,22.9 36.92,22.74 37.16,22.57 37.37,22.37 37.57,22.16 37.75,21.93 37.92,21.68 38.05,21.42 38.17,21.15 38.26,20.87 38.33,20.59 38.37,20.29 38.39,20 38.38,19.7 38.34,19.41 38.28,19.12 38.2,18.84 38.09,18.56 37.95,18.3 37.79,18.04 37.62,17.8 37.42,17.58 37.2,17.38 36.96,17.19 36.71,17.03 36.45,16.89 36.18,16.77 35.89,16.68 35.6,16.61 35.3,16.57 35,16.55 34.71,16.56 34.43,16.59 34.15,16.65 33.88,16.72 33.61,16.83 33.35,16.95 33.1,17.09 32.86,17.26 32.64,17.44 32.44,17.64 32.25,17.86 32.08,18.09 31.93,18.34 31.8,18.6 31.69,18.86 31.6,19.14 31.54,19.42 31.5,19.71 31.49,20 31.5,20.29 31.53,20.58 31.59,20.86 31.67,21.14 31.77,21.42 31.89,21.68 32.04,21.93 32.21,22.17 32.39,22.4 32.6,22.61 32.82,22.8 33.06,22.97 33.31,23.13 33.57,23.26 33.84,23.37 34.12,23.46 34.41,23.52 34.71,23.56 35,23.57 35.3,23.57 35.59,23.53 35.88,23.48 36.17,23.39 36.44,23.29 36.71,23.16 36.97,23.01 37.21,22.84 37.44,22.65 37.65,22.44 37.85,22.22 38.03,21.98 38.18,21.72 38.32,21.45 38.43,21.18 38.52,20.89 38.58,20.6 38.62,20.3 38.64,20 38.63,19.7 38.59,19.4 38.54,19.1 38.45,18.81 38.35,18.53 38.22,18.26 38.06,18 37.89,17.75 37.7,17.52 37.49,17.3 37.26,17.1 37.01,16.92 36.75,16.76 36.48,16.63 36.2,16.51 35.91,16.42 35.61,16.36 35.31,16.32 35,16.3 34.71,16.31 34.42,16.34 34.13,16.39 33.85,16.47 33.58,16.57 33.31,16.69 33.06,16.83 32.81,16.99 32.58,17.17 32.36,17.36 32.16,17.57 31.98,17.8 31.81,18.05 31.66,18.3 31.54,18.57 31.43,18.84 31.35,19.12 31.29,19.41 31.25,19.71 31.24,20 31.25,20.3 31.28,20.59 31.33,20.88 31.41,21.17 31.51,21.45 31.63,21.72 31.77,21.98 31.94,22.23 32.12,22.46 32.32,22.68 32.53,22.89 32.77,23.07 33.01,23.24 33.27,23.39 33.54,23.52 33.82,23.63 34.11,23.71 34.4,23.77 34.7,23.81 35,23.82 35.3,23.82 35.6,23.78 35.9,23.73 36.19,23.65 36.47,23.55 36.75,23.42 37.01,23.28 37.26,23.11 37.5,22.93 37.73,22.73 37.93,22.51 38.12,22.27 38.3,22.02 38.45,21.76 38.58,21.48 38.69,21.2 38.77,20.91 38.83,20.61 38.87,20.3 38.89,20 38.88,19.69 38.85,19.39 38.79,19.09 38.71,18.79 38.61,18.51 38.48,18.23 38.33,17.96 38.17,17.7 37.98,17.46 37.77,17.23 37.55,17.02 37.31,16.82 37.05,16.65 36.78,16.5 36.51,16.37 36.22,16.26 35.92,16.17 35.62,16.1 35.31,16.07 35,16.05 34.7,16.06 34.41,16.09 34.12,16.14 33.83,16.21 33.55,16.31 33.28,16.43 33.01,16.56 32.76,16.72 32.52,16.89 32.29,17.08 32.08,17.29 31.88,17.51 31.7,17.75 31.54,18 31.4,18.27 31.28,18.54 31.18,18.82 31.1,19.11 31.04,19.4 31,19.7 30.99,20 31,20.3 31.03,20.6 31.08,20.89 31.15,21.19 31.25,21.47 31.37,21.75 31.51,22.02 31.67,22.27 31.84,22.52 32.04,22.75 32.25,22.97 32.48,23.17 32.72,23.35 32.97,23.51 33.24,23.66 33.52,23.78 33.8,23.88 34.1,23.96 34.39,24.02 34.7,24.06 35,24.07 35.3,24.07 35.61,24.04 35.91,23.98 36.2,23.91 36.49,23.81 36.78,23.69 37.05,23.55 37.31,23.39 37.56,23.21 37.79,23.01 38.01,22.79 38.21,22.56 38.4,22.32 38.57,22.06 38.71,21.79 38.84,21.51 38.94,21.22 39.03,20.92 39.09,20.62 39.12,20.31 39.14,20 39.13,19.69 39.1,19.38 39.04,19.08 38.97,18.78 38.87,18.48 38.74,18.2 38.6,17.92 38.44,17.66 38.26,17.4 38.05,17.17 37.84,16.94 37.6,16.74 37.35,16.55 37.09,16.38 36.81,16.23 36.53,16.1 36.23,16 35.93,15.91 35.63,15.85 35.31,15.81 35,15.8 34.7,15.81 34.4,15.84 34.11,15.89 33.81,15.96 33.53,16.05 33.25,16.16 32.98,16.3 32.72,16.45 32.47,16.62 32.23,16.8 32.01,17.01 31.8,17.23 31.61,17.46 31.43,17.71 31.28,17.97 31.14,18.24 31.02,18.52 30.92,18.8 30.84,19.1 30.79,19.39 30.75,19.7 30.74,20 30.75,20.3 30.78,20.61 30.83,20.91 30.9,21.2 30.99,21.49 31.11,21.78 31.24,22.05 31.4,22.32 31.57,22.57 31.76,22.81 31.96,23.04 32.19,23.25 32.42,23.44 32.67,23.62 32.94,23.78 33.21,23.92 33.49,24.04 33.78,24.14 34.08,24.22 34.39,24.28 34.69,24.31 35,24.32 35.31,24.32 35.62,24.29 35.92,24.23 36.22,24.16 36.52,24.07 36.8,23.95 37.08,23.81 37.35,23.66 37.61,23.48 37.85,23.29 38.08,23.08 38.29,22.85 38.49,22.61 38.67,22.36 38.83,22.09 38.98,21.82 39.1,21.53 39.2,21.23 39.28,20.93 39.34,20.62 39.37,20.31 39.39,20 39.38,19.69 39.35,19.37 39.3,19.07 39.22,18.76 39.12,18.46 39.01,18.17 38.87,17.89 38.71,17.62 38.53,17.36 38.34,17.11 38.12,16.88 37.9,16.66 37.65,16.46 37.39,16.28 37.12,16.11 36.84,15.97 36.55,15.84 36.25,15.74 35.94,15.66 35.63,15.6 35.32,15.56 35,15.55 35,15.35 v1(35.35,15)